# Altium PCB EPS_v1.PcbDoc (part 1 of 4)
Units mil, origin at the board's own origin, x right, y up, seen from the top; angles counter-clockwise.
Board outline 3775.2 x 3550 mil, 6 copper layers (Top Layer, GND1, PWR, Signal, GND2, Bottom Layer), stack 55.912 mil thick; 413 components, 280 nets, 1452 pads, 325 vias.
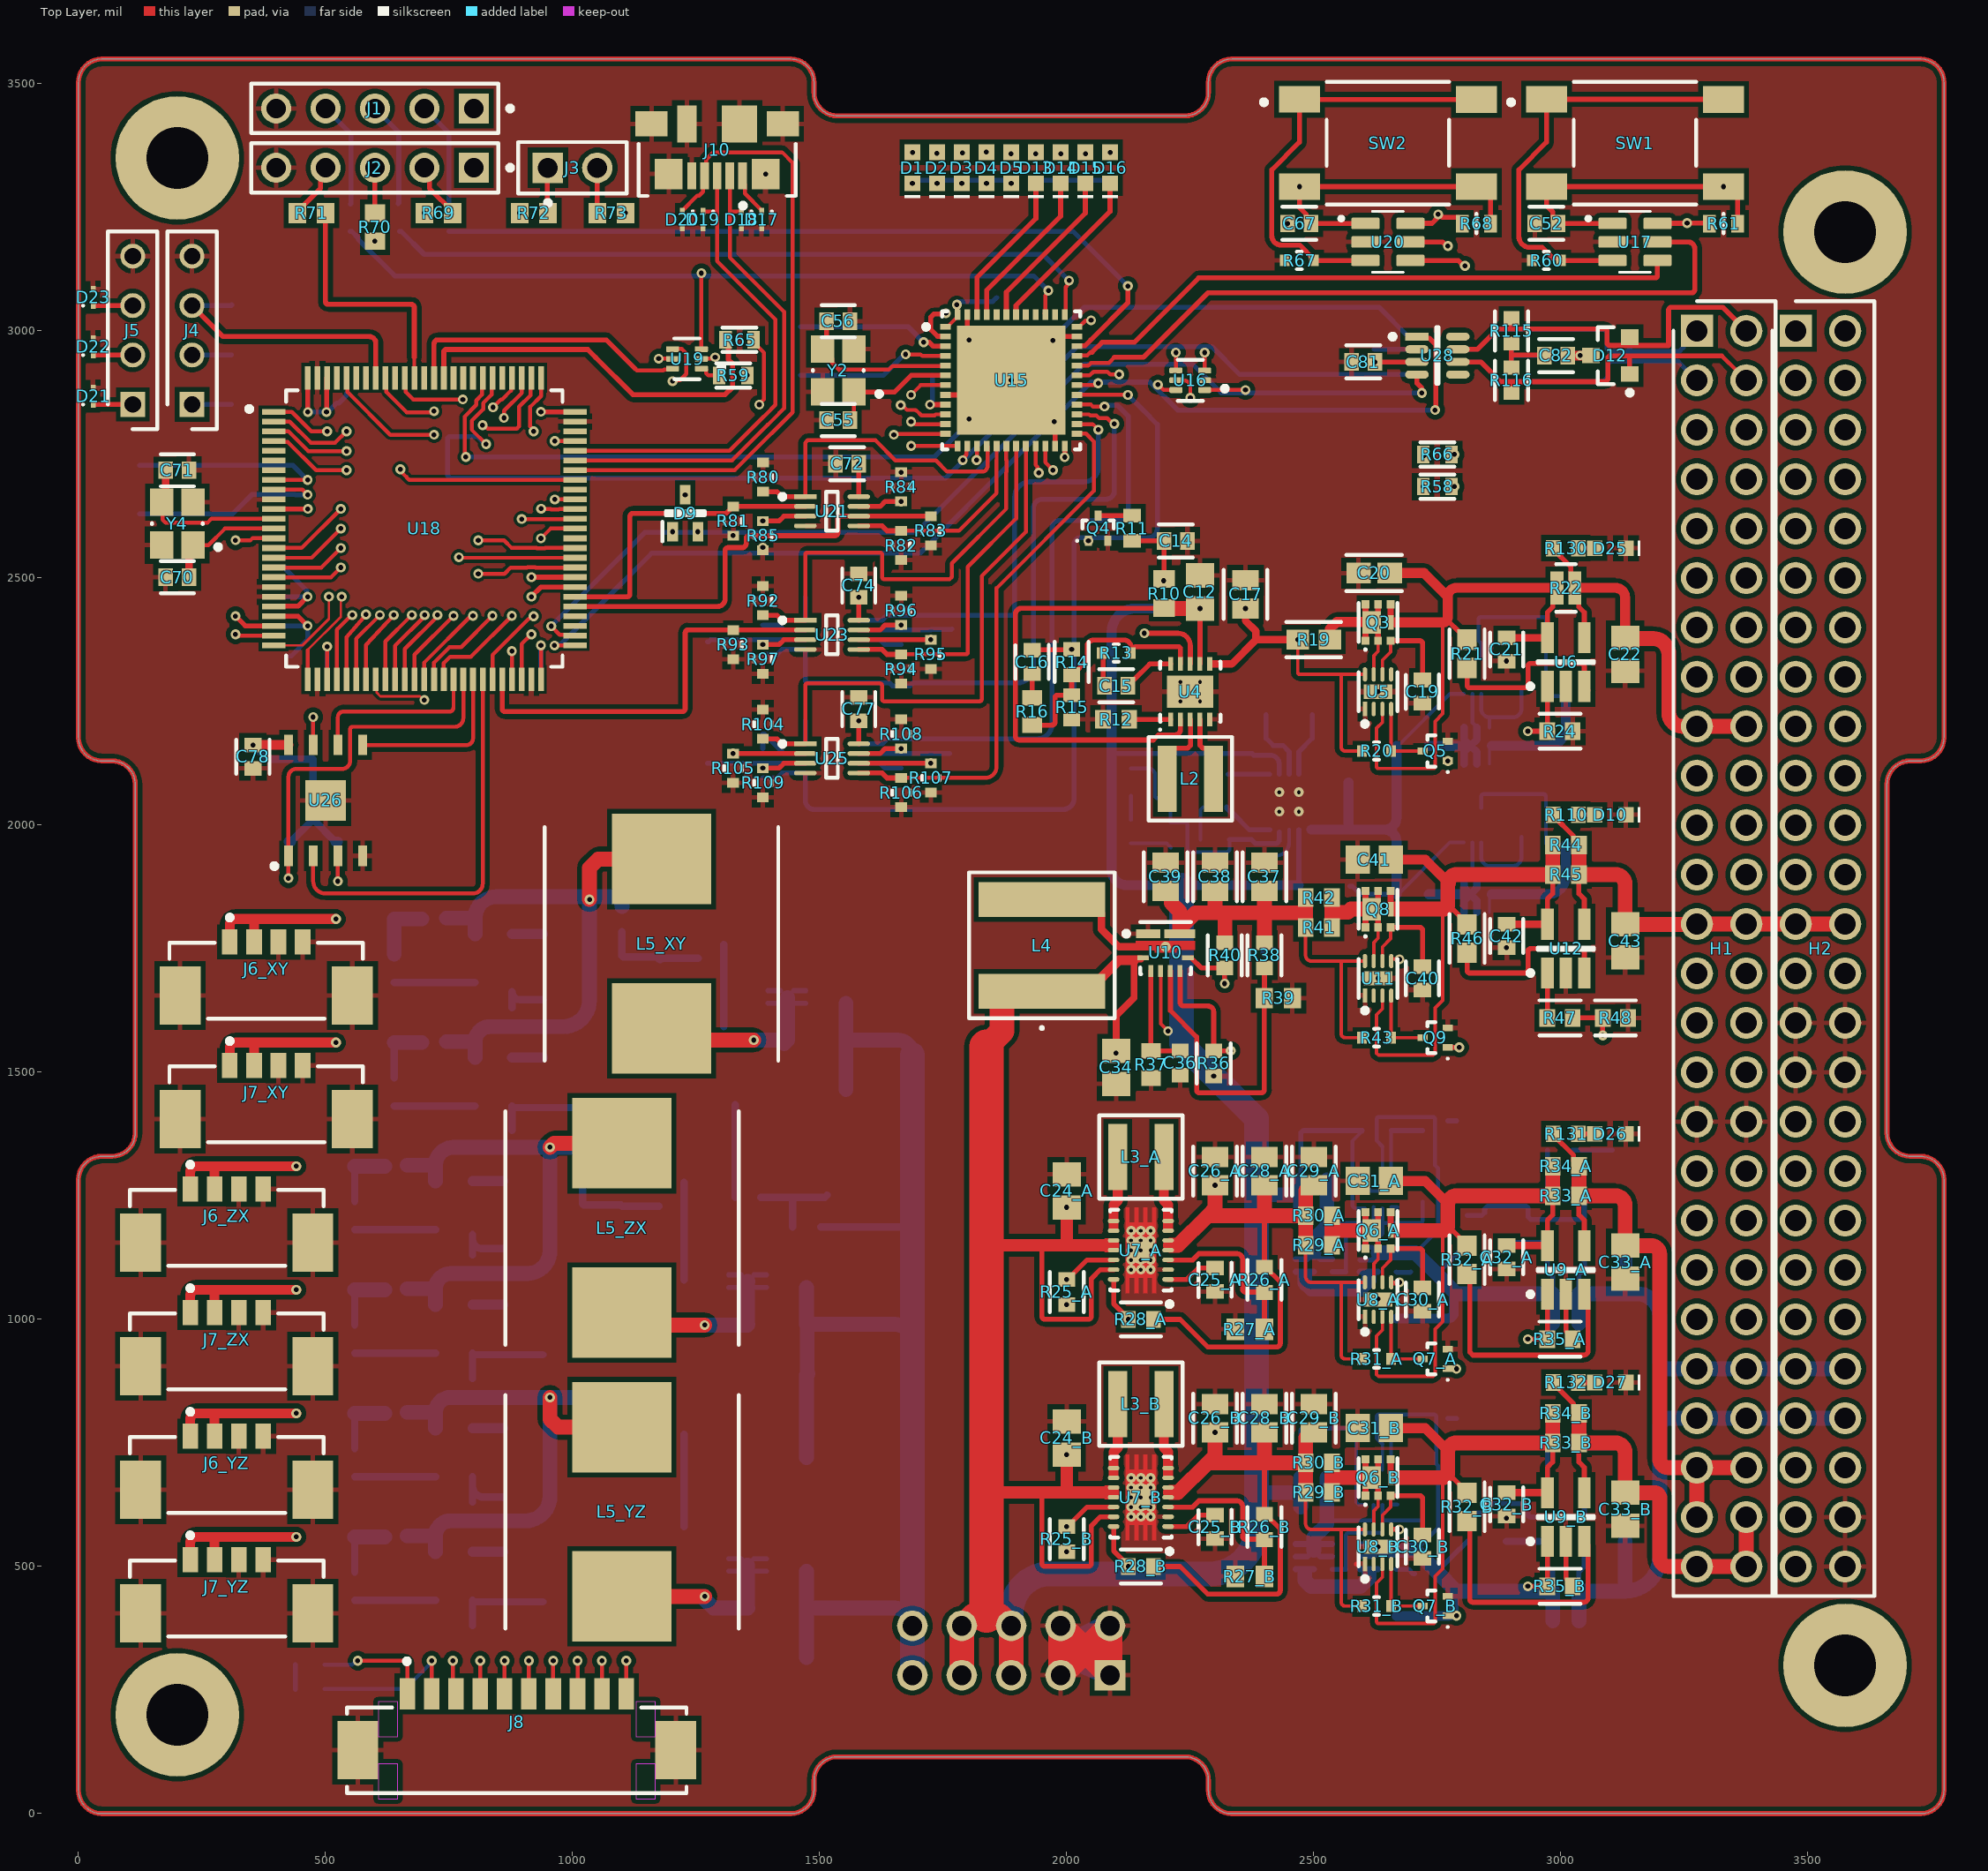
[diagram p0: Top Layer view]
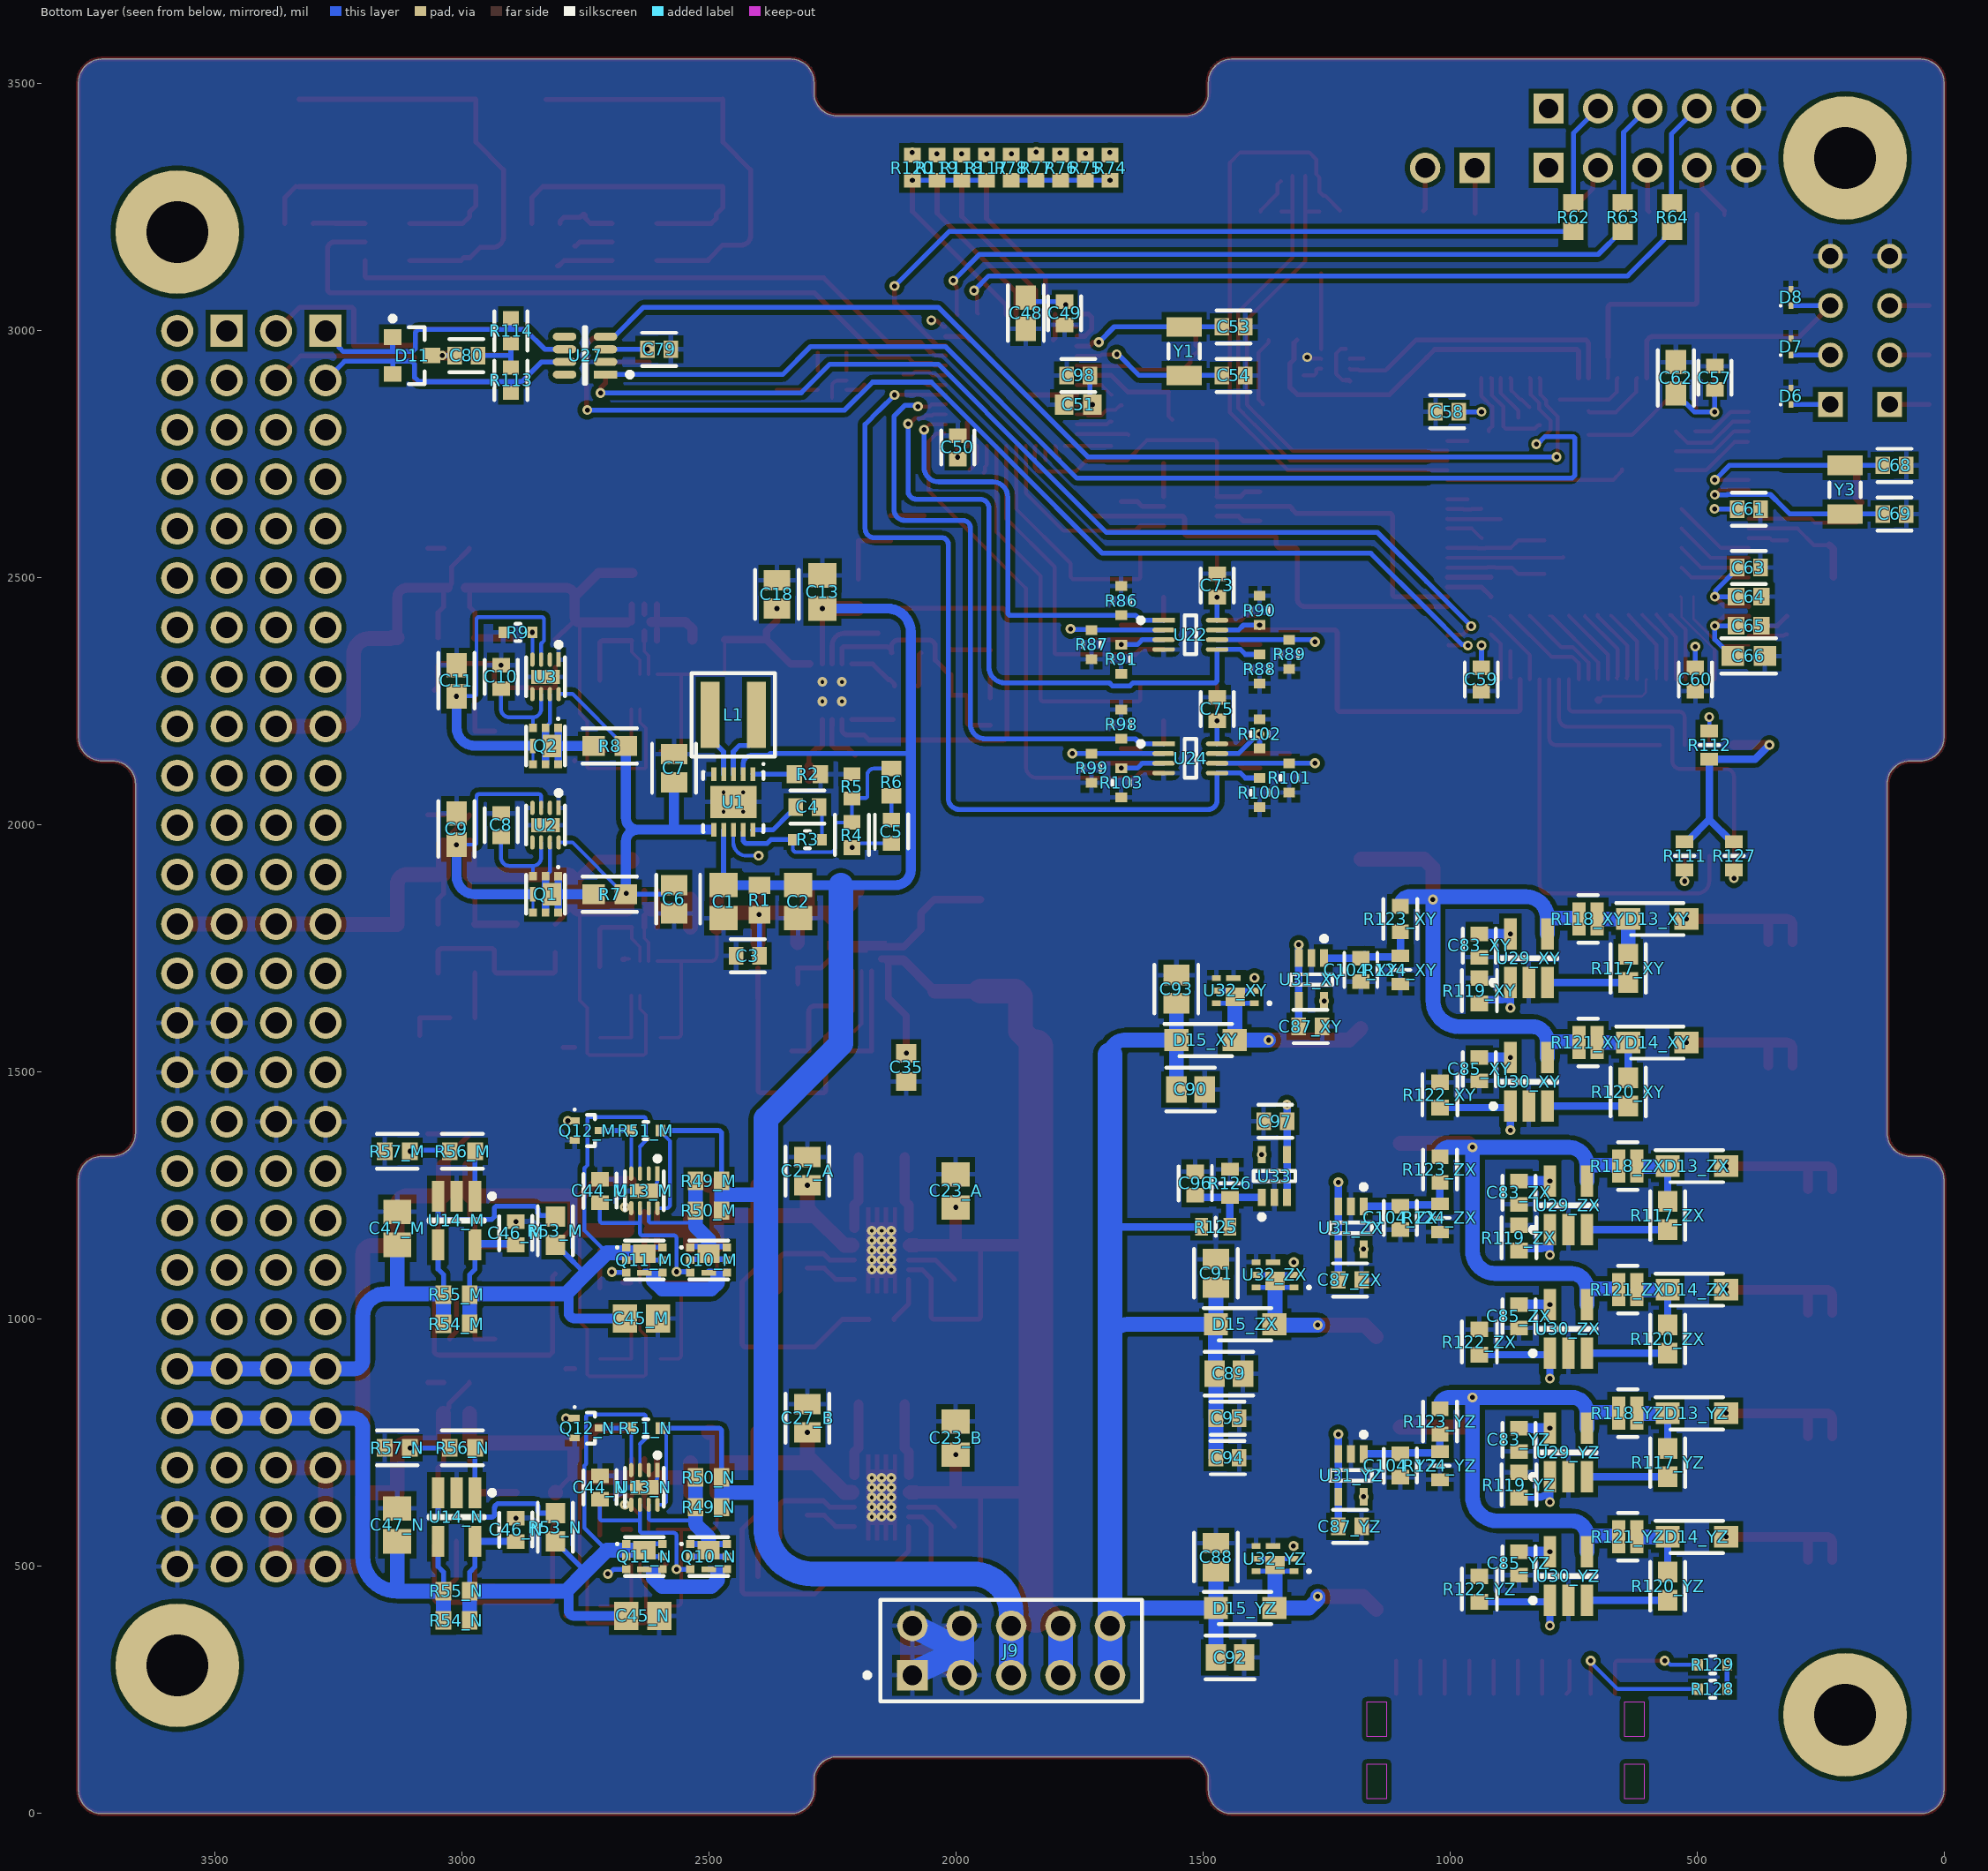
[diagram p1: Bottom Layer view, seen from below]
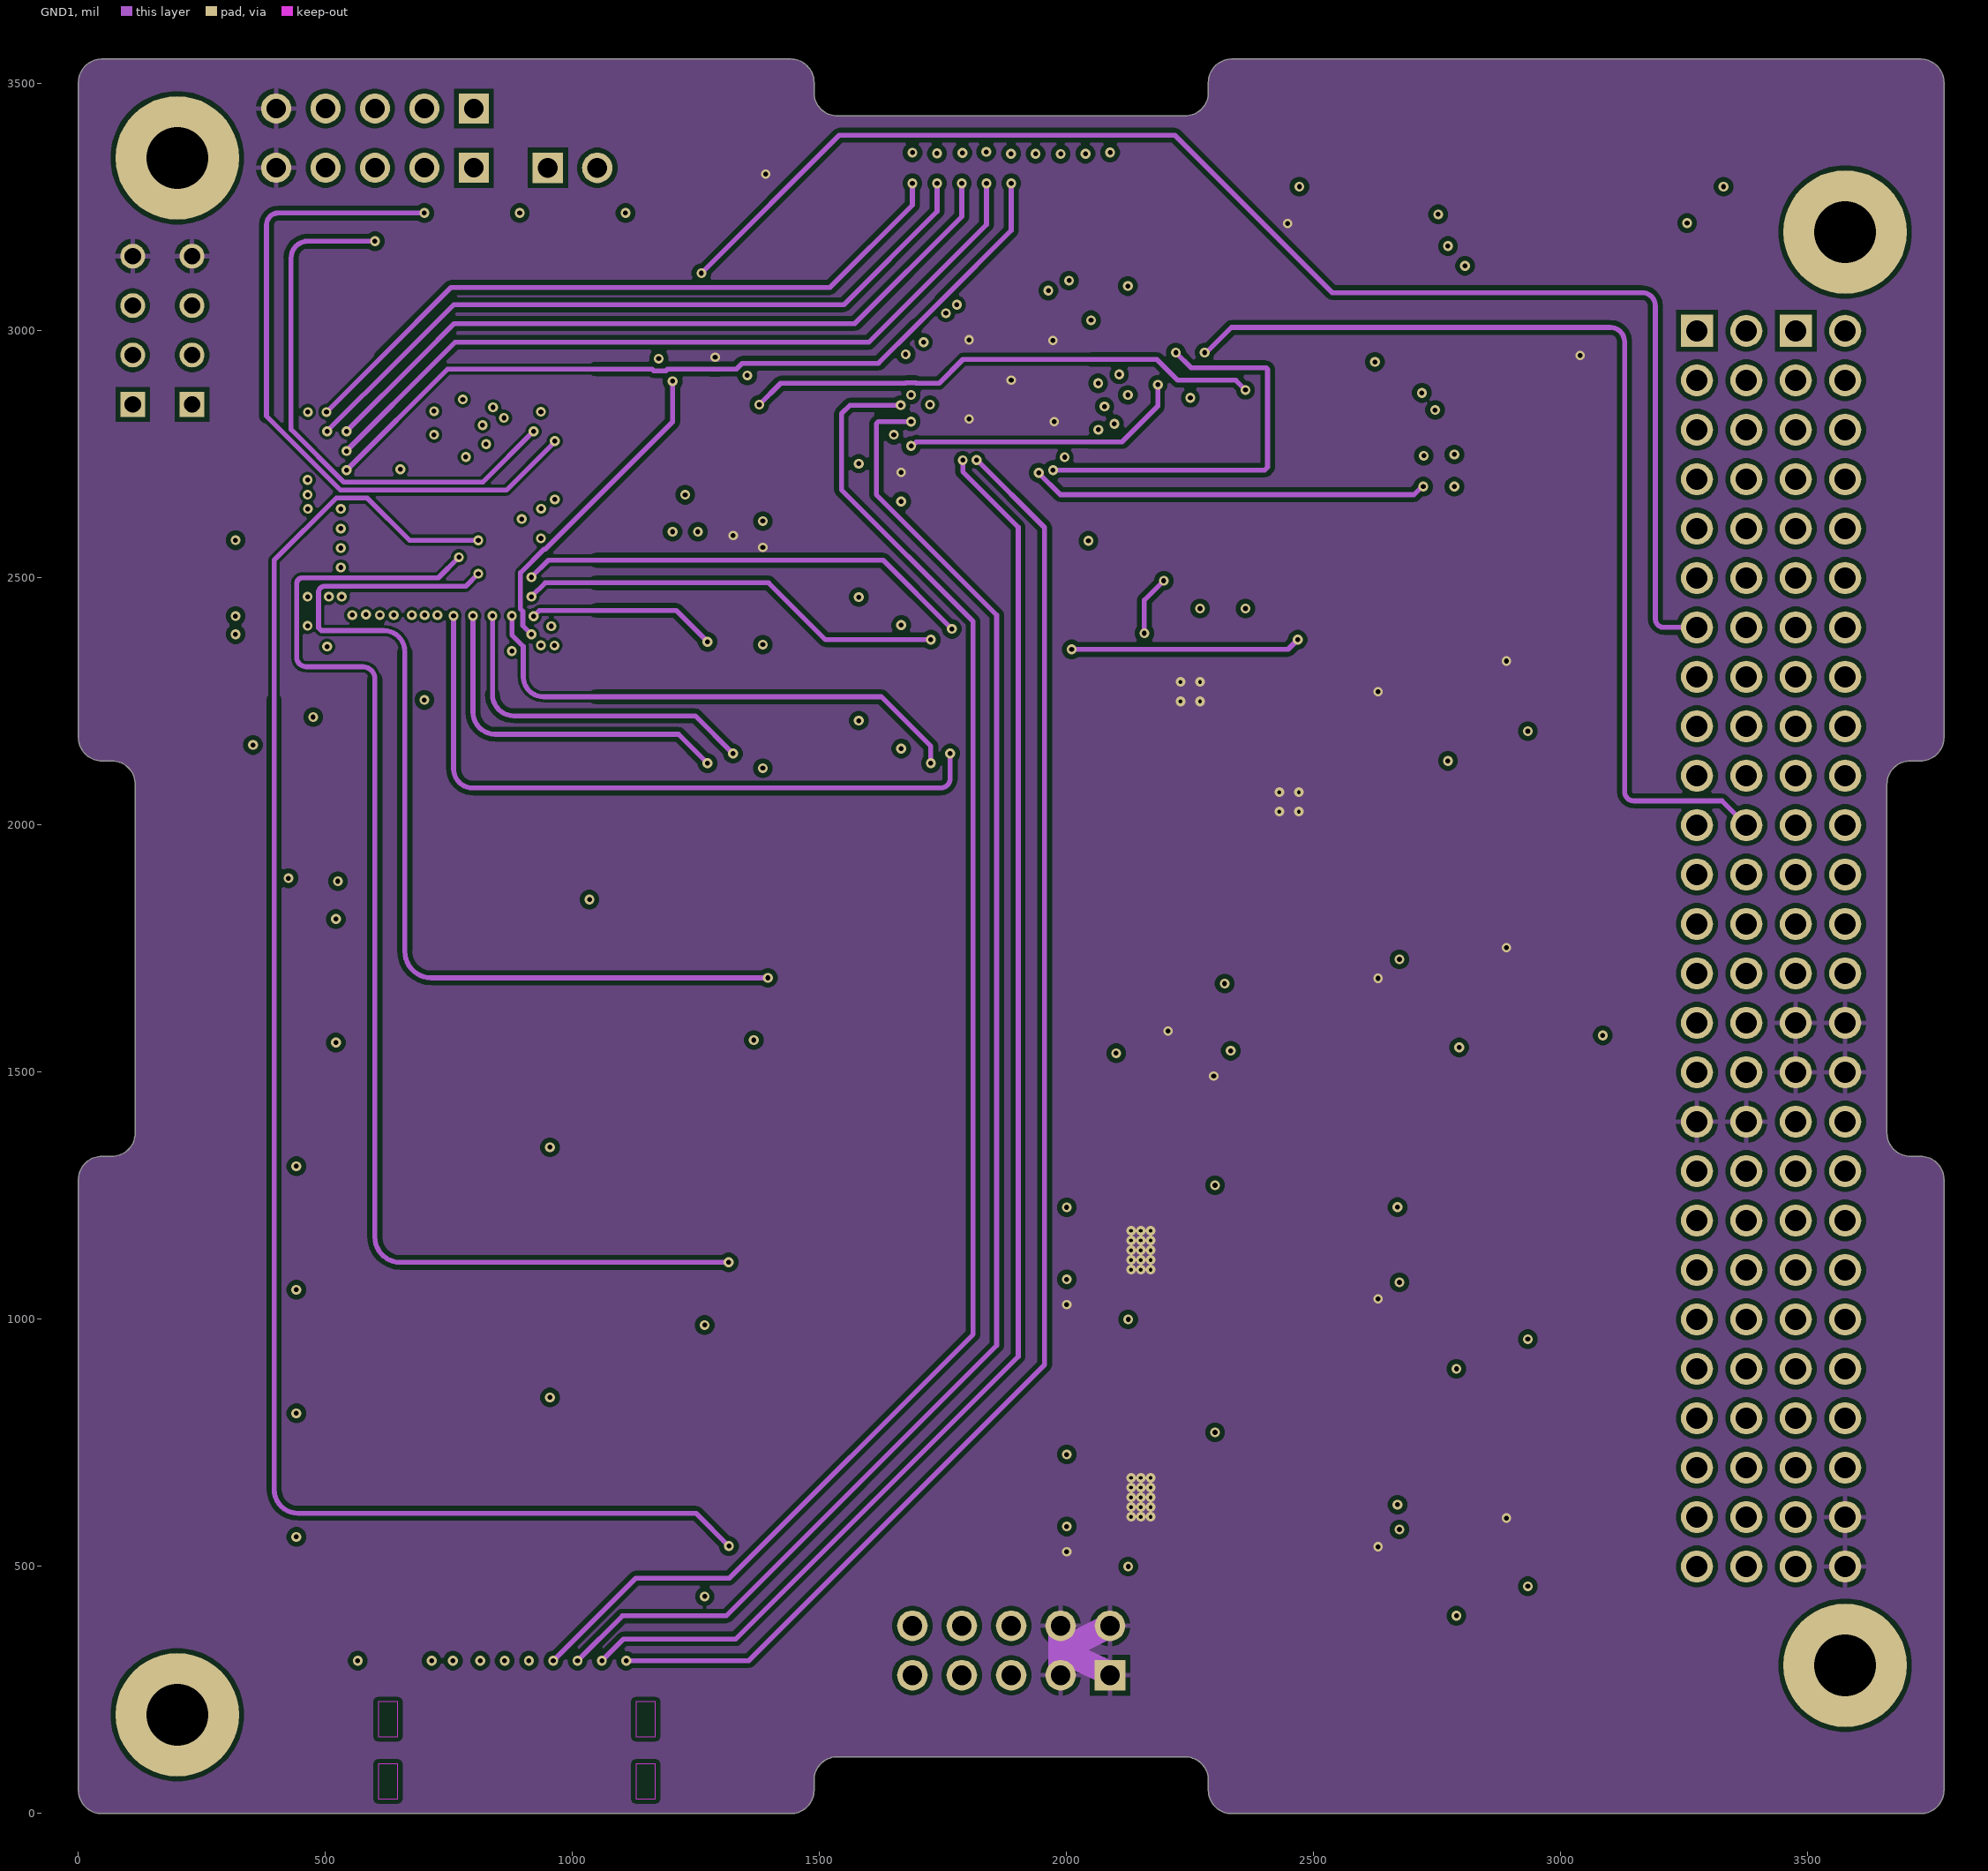
[diagram p2: GND1]
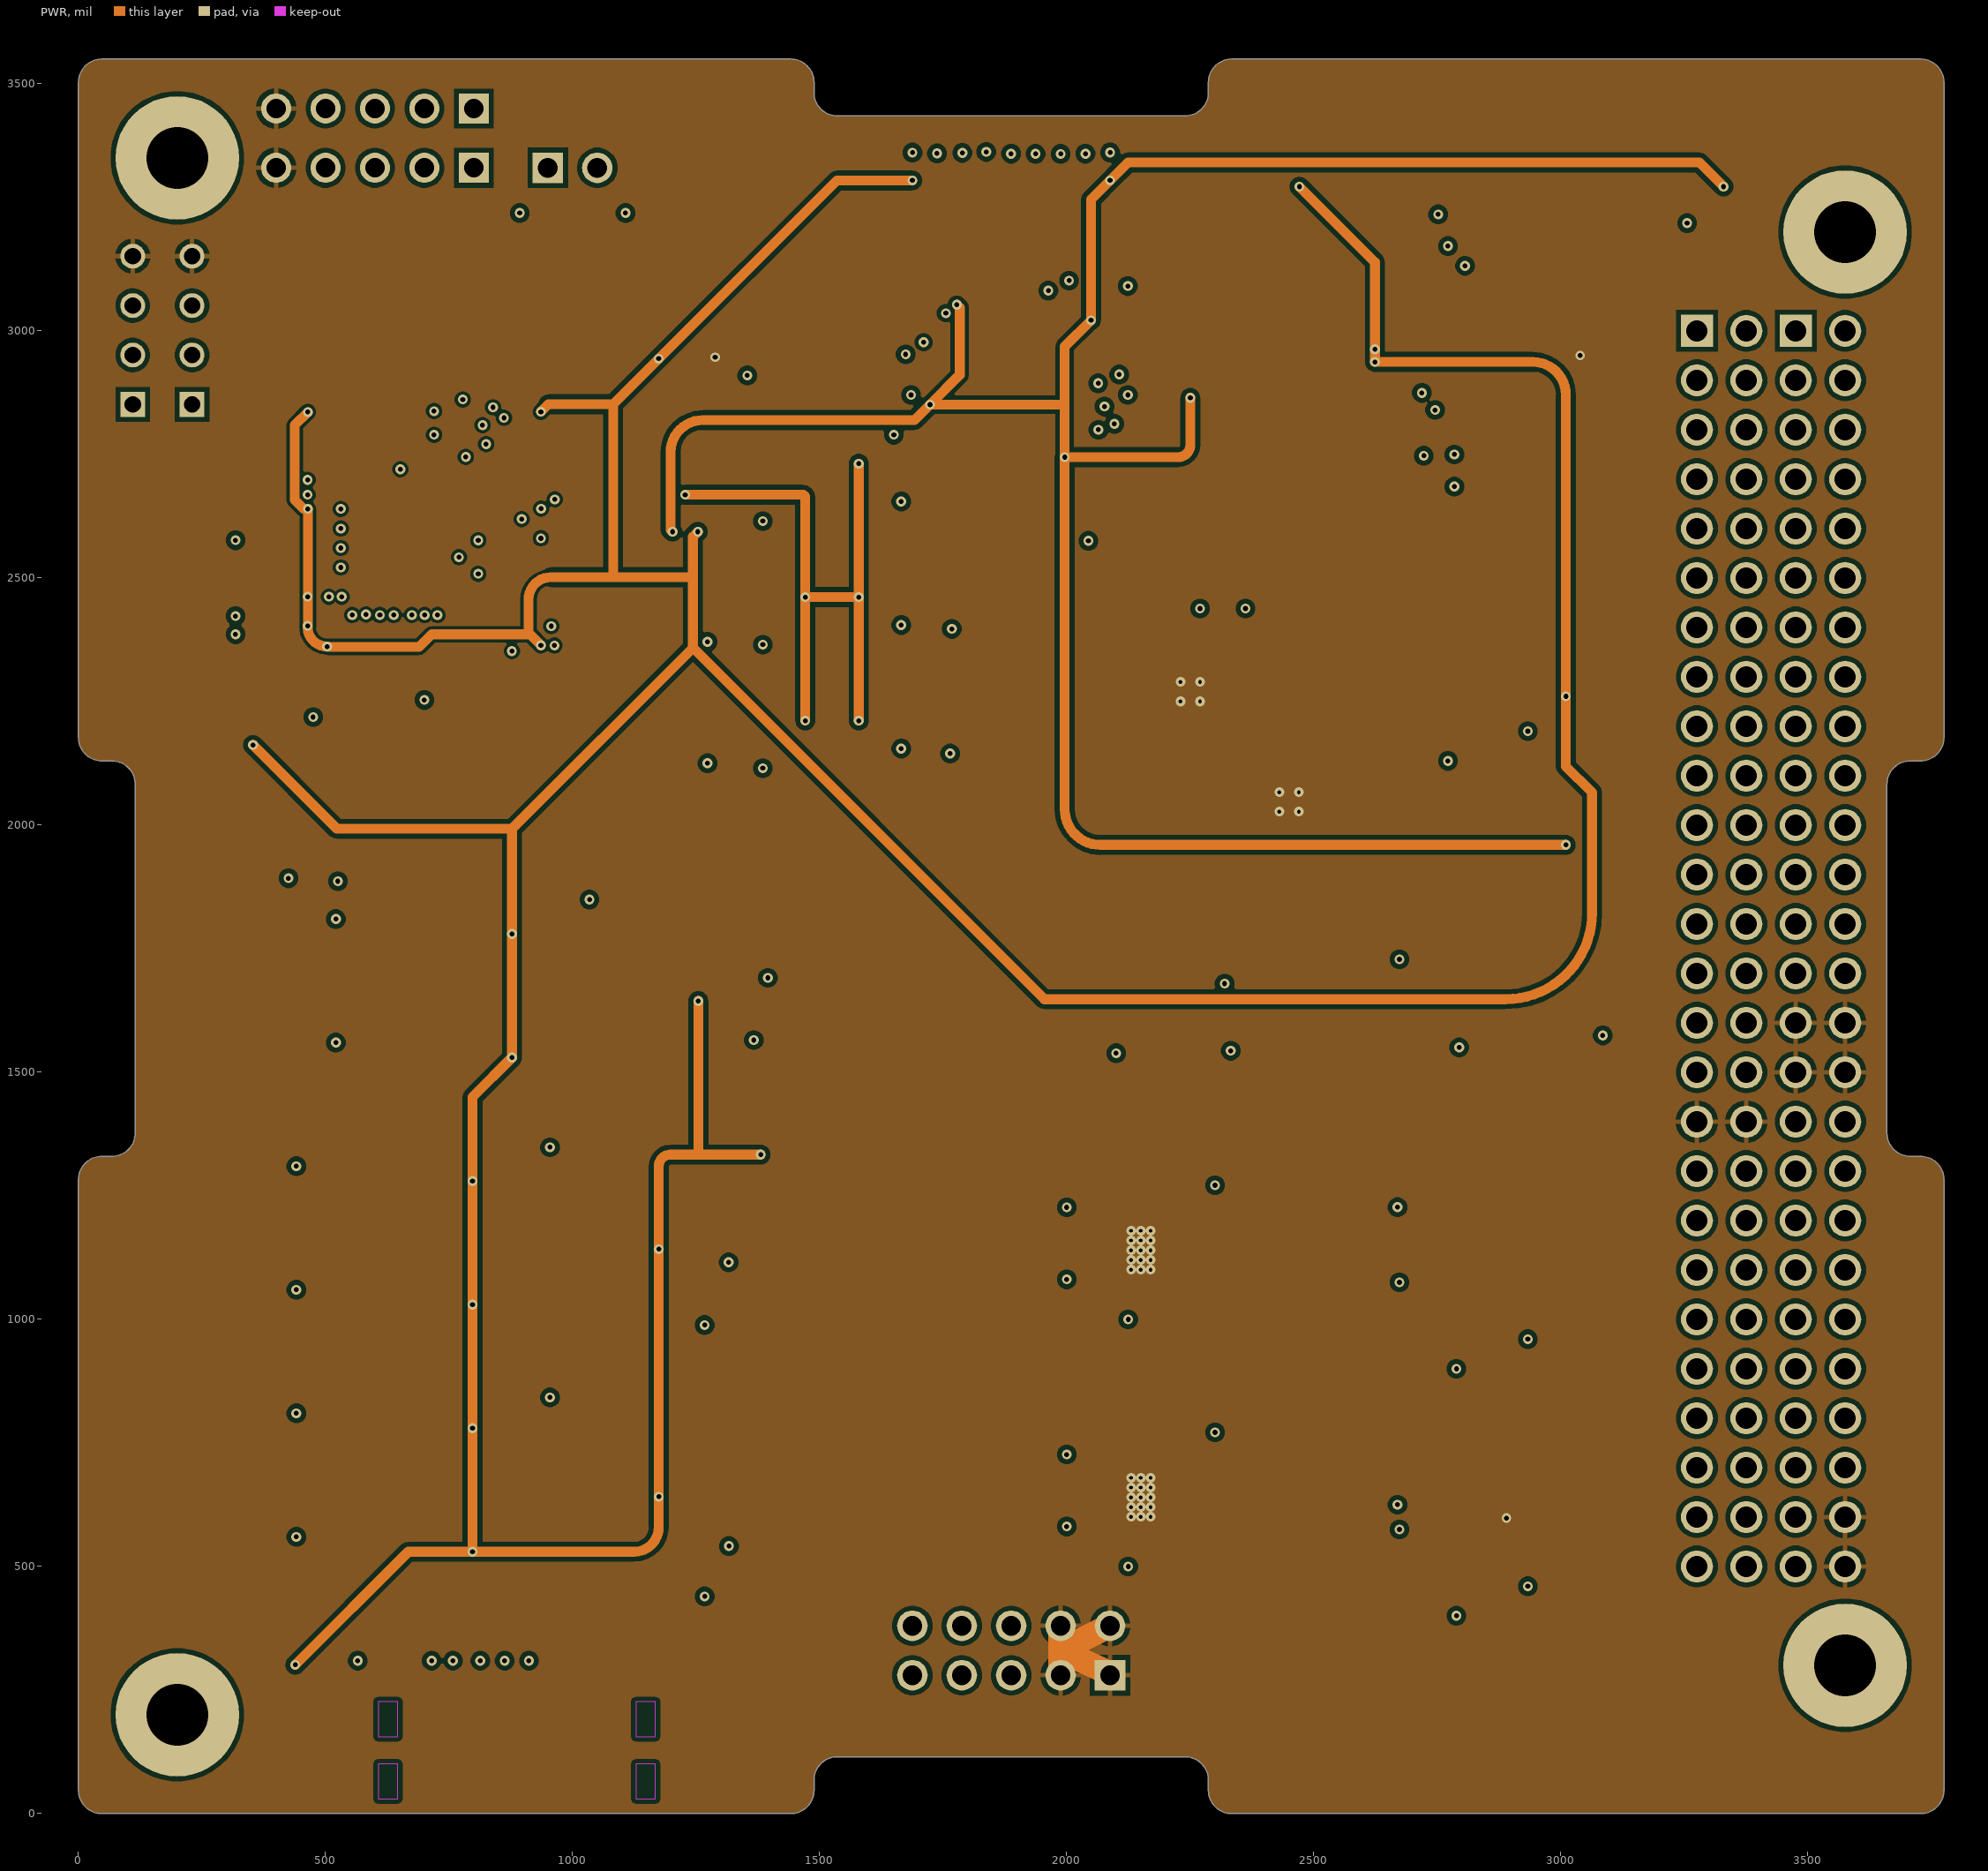
[diagram p3: PWR]